# KiCad board Turbo_XT_Mainboard R3.kicad_pcb (continued)
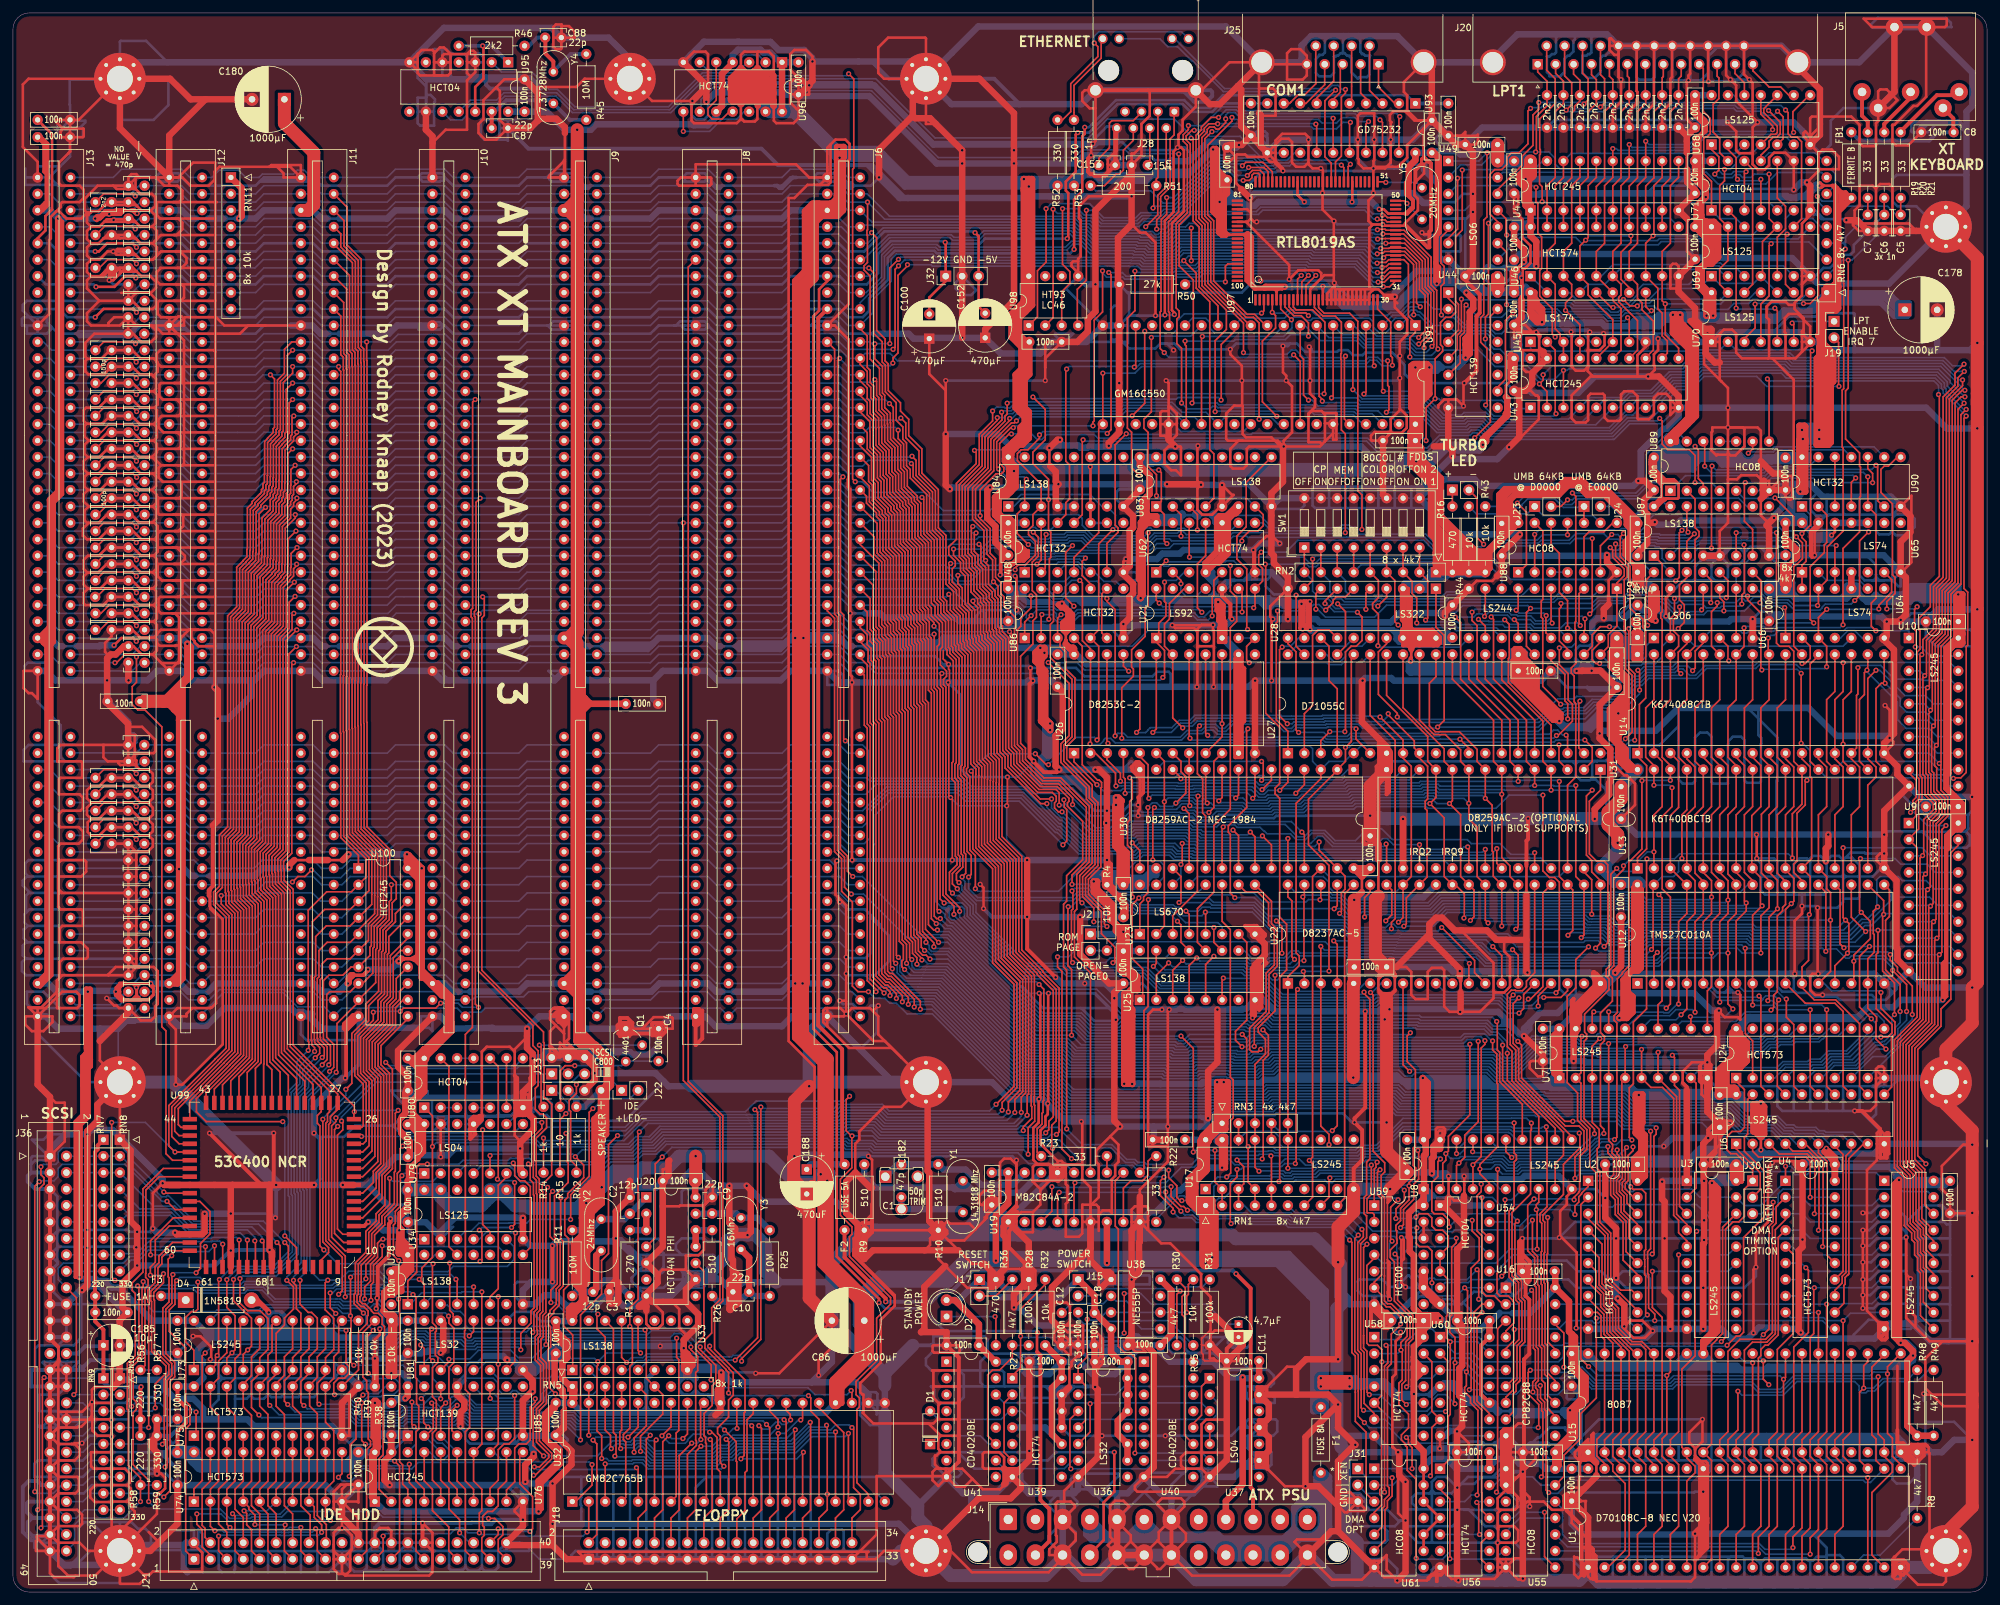
[diagram p0: board, top side]
## Routing (per net, layer and track width the routed paths; a pad name or vN(x,y) marks a point on that pad's centre or on a via; arc(x,y) is an arc through that point) (continued)
; 28.32,92.71 27.05,92.71 25.78,93.98 J12.78 v1(21.27,93.98) ; 206.12,32.51 207.77,32.51 ; 206.12,32.51 206.12,33.02 207.26,33.02 207.77,32.51 ; 291.08,197.1 291.97,197.99 C178.1 ; 291.08,197.1 292.48,197.1 292.74,197.36 292.74,199.01 291.08,199.01 290.7,199.39 ; U85.16 60.96,32.88 60.06,33.78 v1(58.42,33.78) ; 89.28,92.71 88.14,92.71 86.87,93.98 J9.78 79.38,93.98 78.13,92.74 70.64,92.74 70.61,92.71 ; 275.5,153.44 274.92,154.02 ; C60.1 U8.20 ; U27.26 231.46,143.83 ; 263.53,174.62 263.14,175.01 ; 263.53,174.62 271.4,174.62 ; 263.14,175.01 260.35,175.01 ; 208.03,32.51 207.77,32.51 ; 208.03,32.51 210.69,32.51 ; 263.52,34.29 262.76,34.29 262.38,34.67 ; 263.52,34.29 263.08,34.73 ; 41.99,39.29 30.56,39.29 ; 273.43,197.87 273.43,197.49 272.29,196.34 263.27,196.34 v1(262.51,197.1) ; U60.4 220.47,31.75 220.98,32.26 222.38,32.26 223.76,30.87 223.76,30.78 224.7,29.85 227.04,29.85 227.37,29.51 ; 213.64,148.23 213.72,148.23 U28.18 ; 215.75,200.28 216.92,200.28 ; 215.75,200.28 215.77,200.28 218.06,202.56 218.95,202.56 ; 205.36,79.12 206.63,79.12 v1(206.95,79.44) 207.26,79.76 ; v1(291.21,63.63) 296.42,63.63 296.54,63.5 C35.1 298.96,63.5 298.32,62.87 291.97,62.87 v1(291.21,63.63) ; 268.2,75.33 269.17,75.33 269.19,75.31 269.31,75.43 v1(269.88,75.43) 269.12,74.68 267.61,74.68 265.83,76.46 265.3,76.46 ; 254,196.09 254.57,196.66 ; 254,196.09 253.75,195.83 252.22,195.83 251.85,195.46 ; C36.1 U86.14 ; C178.1 290.7,199.39 ; 249.56,195.46 249.57,195.45 251.84,195.45 251.85,195.46 ; 249.56,195.46 250.32,196.22 ; v1(12.7,212.09) 9.78,212.09 ; 210.69,32.51 211.71,32.51 212.47,31.75 ; 210.69,32.51 210.95,32.51 213.36,30.1 215.82,30.1 v1(216.3,30.58) 213.64,30.58 212.47,31.75 ; 254.57,196.66 254.76,196.47 ; 216.92,200.28 218.95,202.31 218.95,202.56 ; 216.92,200.28 217.93,200.28 219.81,202.16 222.91,202.16 ; 218.95,202.56 222.5,202.56 222.91,202.16 ; 229.21,143.28 230.91,143.28 231.46,143.83 ; 187.55,215.93 188.5,214.98 188.5,214.66 ; 187.55,215.93 187.55,214.66 ; 127.89,222.5 133.1,222.5 ; 231.52,43.05 234.19,43.05 U16.20 ; v1(253.62,149.99) 253.22,150.39 250.97,150.39 v1(250.57,149.99) ; 251.85,195.46 254.13,195.46 254.76,196.09 254.76,196.47 ; J10.78 66.67,93.98 67.94,92.71 69.09,92.71 ; v1(15.88,92.71) 15.75,92.84 11.68,92.84 v1(11.56,92.71) 9.78,92.71 ; 125.09,64.13 v1(124.71,64.52) 124.21,64.01 124.21,63.5 124.21,64.77 126.49,64.77 126.49,62.48 123.78,62.48 123.17,63.1 ; 300.35,154.56 300.35,155.32 ; 177.2,78.45 173.9,78.45 ; C75.1 U71.14 ; 216.53,189.61 220.09,189.61 220.6,189.1 ; 216.53,189.61 216.41,189.48 216.41,188.59 219.84,188.59 220.34,189.1 220.6,189.1 ; 216.53,189.61 v1(216.53,189.1) v1(218.69,189.1) 220.6,189.1 ; 157.99,217.17 R52.1 R53.1 ; 125.73,64.13 125.09,63.5 ; 175.01,109.92 175.01,109.22 174.71,108.92 170.99,108.92 170.41,109.5 ; 178.21,173.9 178.35,173.76 196.45,173.76 196.85,173.35 ; 232.57,192.62 232.57,194.28 ; v1(51.69,93.98) 50.42,92.71 50.29,92.71 50.3,92.72 ; 286.51,152.91 292.86,152.91 293.62,153.67 294.13,153.67 294.36,153.44 ; 286.51,152.91 286.26,152.91 285.73,153.44 285.66,153.44 ; v1(238.76,134.49) 238.79,134.49 239.56,133.73 242.95,133.73 244.86,135.64 247.82,135.64 v1(247.86,135.68) 247.9,135.64 ; 27.86,21.51 U74.20 28.26,21.59 ; 300.35,155.32 300.35,153.16 294.64,153.16 294.36,153.44 ; 30.1,146.05 37.46,146.05 38.73,147.32 J11.29 46.35,147.32 47.62,146.05 48.26,146.05 ; 133.1,222.5 133.86,222.5 ; 222.25,60.58 223.52,60.58 224.41,59.69 U54.14 ; 196.85,173.35 195.33,173.35 ; 217.81,61.09 U59.14 ; 217.81,61.09 U8.1 ; C91.1 86.28,41.83 U33.16 ; U65.10 U65.11 U65.12 ; U30.28 C74.1 ; U93.20 C79.1 219.31,222.48 222.98,222.48 223.46,222 225.68,222 227.2,223.52 C62.1 ; v1(171.45,101.96) 171.09,101.6 J2.1 ; 250.57,77.22 249.95,77.84 248.91,77.84 ; 76.53,41.91 U81.9 ; 187.55,214.66 188.5,214.66 ; 271.4,174.62 271.57,174.62 272.5,175.56 277.26,175.56 277.26,174.93 276.96,174.62 276.48,174.62 276.22,174.88 U90.14 ; 271.4,174.62 276.22,174.62 U90.14 ; 289.58,153.44 294.36,153.44 ; v1(42.67,111.89) 42.54,111.76 38.48,111.76 37.34,110.62 30.48,110.62 ; 215.77,141.99 215.8,142.02 215.8,142.78 ; 68.58,146.05 67.94,146.05 66.67,147.32 J10.29 59.05,147.32 57.78,146.05 50.42,146.05 ; 32.77,212.09 30.1,212.09 ; J6.78 v1(121.92,93.98) 120.01,93.98 118.75,92.71 111.25,92.71 ; 28.19,110.62 27.46,110.62 26.44,111.63 v1(25.65,111.63) ; v1(207.09,106.89) 207.47,107.27 217.76,107.27 U22.31 ; U28.3 U28.2 217.17,155.26 219.39,157.48 RN2.1 R44.1 R43.1 ; U100.20 v1(63.12,111.76) ; C177.1 U75.20 28.07,31.75 29.43,33.12 ; 109.22,146.05 108.58,146.05 107.31,147.32 J8.29 99.69,147.32 98.42,146.05 91.06,146.05 ; U17.20 C181.1 ; C69.1 248.28,124.46 ; 229.55,43.11 228.35,41.91 C76.1 226.57,40.51 223.52,40.51 223.77,40.51 223.65,40.39 222.5,40.39 ; v1(51.82,113.92) v1(60.83,113.92) ; C58.1 U69.14 ; U25.16 173.91,98.98 C49.1 ; 111.76,146.05 118.75,146.05 120.01,147.32 v1(122.05,147.32) J6.29 127.63,147.32 128.9,146.05 129.54,146.05 ; 277.99,67.7 278,67.69 ; 223.52,190.63 223.52,190.12 222.56,189.16 223.08,189.16 224.28,190.36 v1(224.28,190.63) 223.52,190.63 ; 265.56,64.01 U3.20 265.74,63.18 v1(262.31,63.18) 263.14,64.01 265.56,64.01 ; 239.39,28.07 239.65,28.07 239.3,27.72 239.84,27.18 240.41,27.18 v1(240.41,28.07) 239.39,28.07
  Bottom w2: v1(125.73,63.5) 124.21,63.5 123.82,63.12 ; F1.1 v1(201.93,33.02) 201.93,45.72 196.47,51.18 v1(151.76,51.18) 147.57,51.18 144.4,48.01 134.54,48.01 131.44,44.91 C86.1 ; 25.4,21.59 U74.20 27.94,20.46 28.93,19.47 51.64,19.47 53.34,21.17 C45.1 ; 121.28,63.27 120.79,63.27 116.75,67.31 v1(105.41,67.31) 102.87,67.31 101.06,65.5 97.07,65.5 95.7,64.14 92.54,64.14 v1(90.91,62.51) v1(88.52,60.07) 88.94,60.54 87.64,59.23 79.82,59.23 79.44,59.61 77.56,59.61 76.2,60.97 U34.9 U34.10 73.66,60.97 72.3,59.61 67.4,59.61 66.04,60.97 U34.13 65.15,62.1 ; 65.15,62.1 66.65,60.6 66.83,60.6 ; 65.15,62.1 U34.14 C38.1 ; U49.14 C57.1 U47.20 ; U31.28 247.78,114.43 v1(247.78,115.7) ; 248.28,124.46 U13.32
